# KiCad board Turkey-Corne-Kit.kicad_pcb (continued)
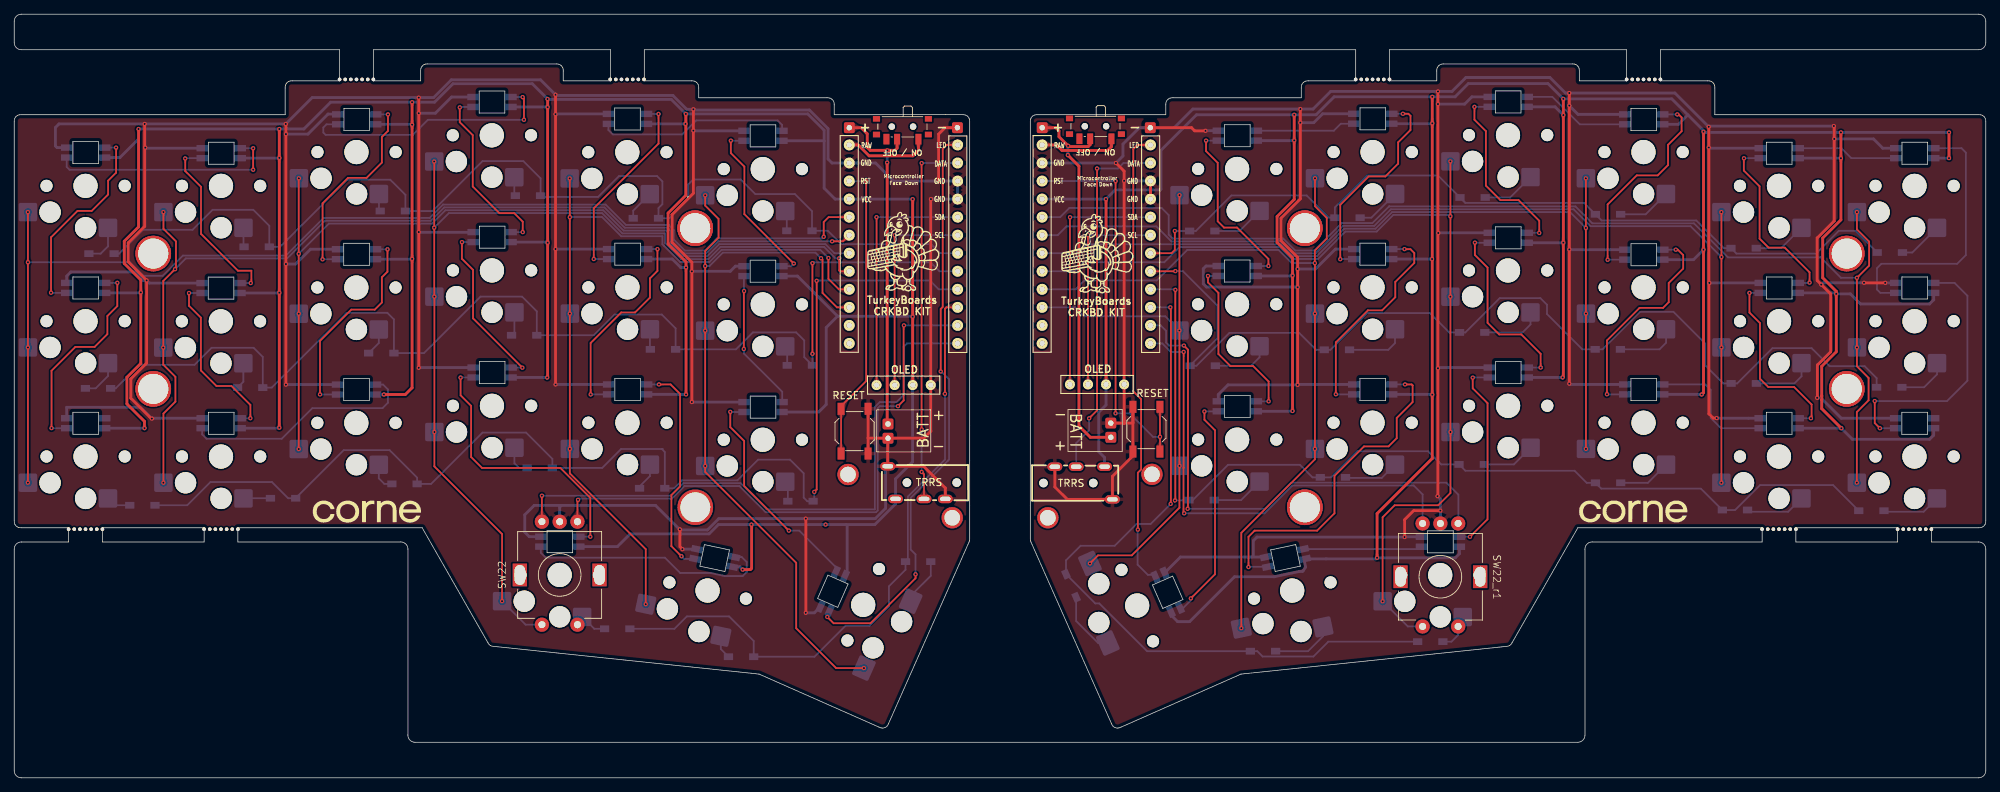
[diagram p0: board, top side]
## Copper pours and planes (outline as drawn; the poured copper is in the pictures) (continued)
GND_r on Top, Bottom: 277.45,35.1 277.45,93.6 239.5,93.7 239.5,98.25 220.35,98.3 220.35,100.7 199.55,100.7 199.55,98.35 180.7,98.35 180.7,95.9 161.65,95.9 161.65,93.5 142.6,93.5 142.6,33.25 154.4,6.6 155.55,6.65 172.55,14.35 210.5,18.4 220,34.95 277,35

Small or netless copper shapes (teardrops, artwork), in the pictures only: 366 on Top, 583 on Bottom

## Text on the board
B.Silkscreen: TurkeyBoards / CRKBD KIT
F.Silkscreen: TurkeyBoards / CRKBD KIT
